# KiCad board omodri_laas.kicad_pcb (continued)
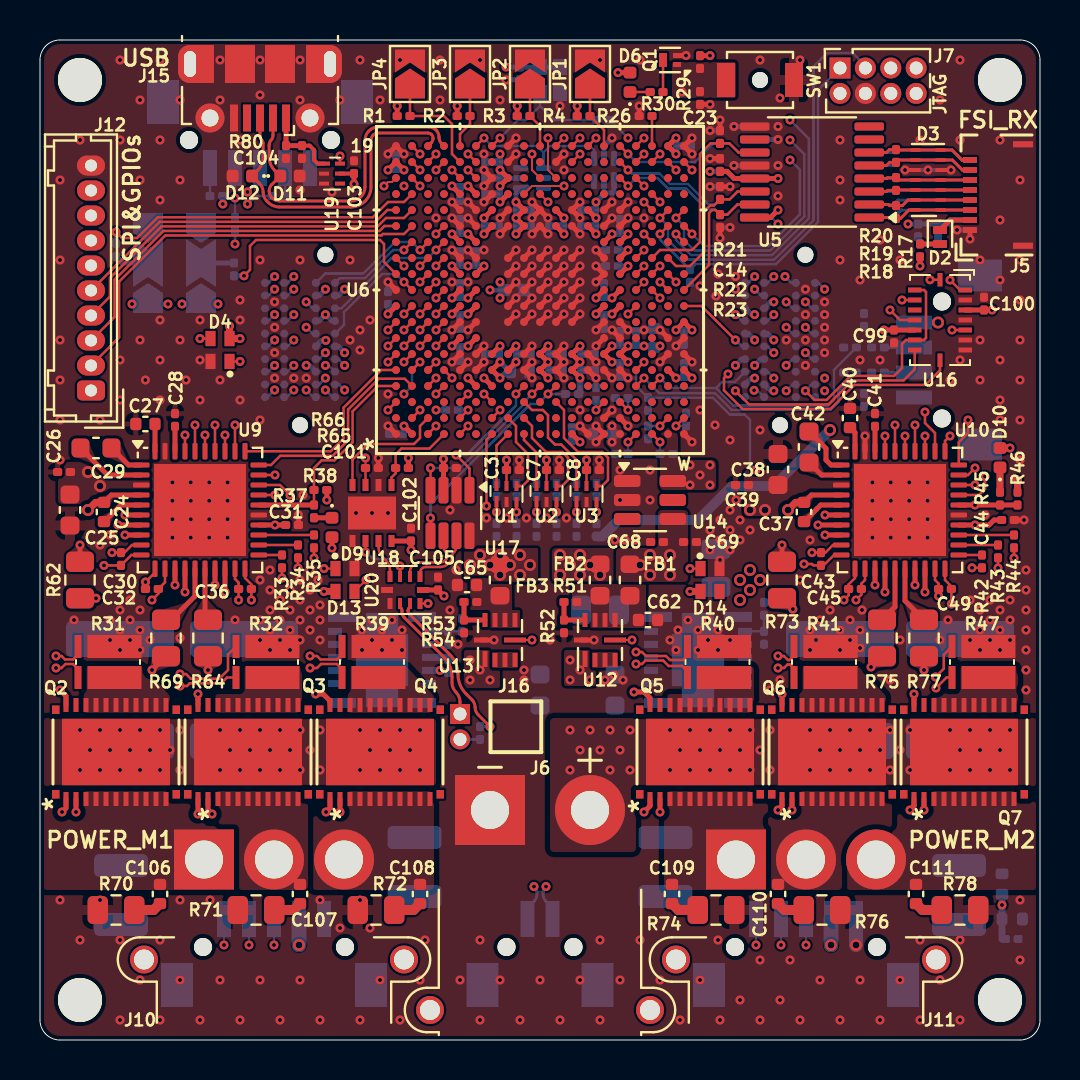
[diagram p0: board, top side]
## Nets (continued)
/OMODRI_driver_M2/CPH: C42.1 U10.2
/OMODRI_driver_M2/CPL: C42.2 U10.1
/OMODRI_driver_M2/GHA: Q5.1 R73.2
/OMODRI_driver_M2/GHA_drv: R73.1 U10.6
/OMODRI_driver_M2/GHB: Q6.1 R75.2
/OMODRI_driver_M2/GHB_drv: R75.1 U10.15
/OMODRI_driver_M2/GHC: Q7.1 R77.2
/OMODRI_driver_M2/GHC_drv: R77.1 U10.16
/OMODRI_driver_M2/GLA: Q5.22 U10.8
/OMODRI_driver_M2/GLB: Q6.22 U10.13
/OMODRI_driver_M2/GLC: Q7.22 U10.18
/OMODRI_driver_M2/MOTOR_CH1: C109.2 J11.1 Q5.3 Q5.4 Q5.5 Q5.6 Q5.7 Q5.8 Q5.9 Q5.10 Q5.11
/OMODRI_driver_M2/MOTOR_CH2: C110.2 J11.2 Q6.3 Q6.4 Q6.5 Q6.6 Q6.7 Q6.8 Q6.9 Q6.10 Q6.11
/OMODRI_driver_M2/MOTOR_CH3: C111.2 J11.3 Q7.3 Q7.4 Q7.5 Q7.6 Q7.7 Q7.8 Q7.9 Q7.10 Q7.11
/OMODRI_driver_M2/OUT_M1_CH1: Q5.12 Q5.13 Q5.14 Q5.15 Q5.16 Q5.17 Q5.18 Q5.19 Q5.20 R40.1
/OMODRI_driver_M2/OUT_M1_CH2: Q6.12 Q6.13 Q6.14 Q6.15 Q6.16 Q6.17 Q6.18 Q6.19 Q6.20 R41.1
/OMODRI_driver_M2/OUT_M1_CH3: Q7.12 Q7.13 Q7.14 Q7.15 Q7.16 Q7.17 Q7.18 Q7.19 Q7.20 R47.1
/OMODRI_driver_M2/SHA: Q5.2 U10.7
/OMODRI_driver_M2/SHB: Q6.2 U10.14
/OMODRI_driver_M2/SHC: Q7.2 U10.17
/OMODRI_driver_M2/SNA: C43.2 R40.3 U10.10
/OMODRI_driver_M2/SNB: C45.2 R41.3 U10.11
/OMODRI_driver_M2/SNC: C49.2 R47.3 U10.20
/OMODRI_driver_M2/SOA_out: R44.2 U10.23
/OMODRI_driver_M2/SOB_out: R43.2 U10.22
/OMODRI_driver_M2/SOC_out: R42.2 U10.21
/OMODRI_driver_M2/SPA: C43.1 R40.2 U10.9
/OMODRI_driver_M2/SPB: C45.1 R41.2 U10.12
/OMODRI_driver_M2/SPC: C49.1 R47.2 U10.19
/OMODRI_driver_M2/VCP_DRV: C37.2 U10.5
/OMODRI_driver_M2/VGLS: C40.2 U10.40
/OMODRI_FSI_RX/FSI_RX_CLK: R21.2 U5.11 U6.U12
/OMODRI_FSI_RX/FSI_RX_D0: R22.2 U5.14 U6.V12
/OMODRI_FSI_RX/FSI_RX_D1: R23.2 U5.15 U6.W10
/OMODRI_FSI_RX/RX_CLK_LVDS_N: D3.6 D3.9 J5.7 R20.2 U5.5
/OMODRI_FSI_RX/RX_CLK_LVDS_P: D3.7 D3.8 J5.8 R20.1 U5.6
/OMODRI_FSI_RX/RX_D0_LVDS_N: D3.4 D3.11 J5.6 R19.2 U5.4
/OMODRI_FSI_RX/RX_D0_LVDS_P: D3.3 D3.12 J5.5 R19.1 U5.3
/OMODRI_FSI_RX/RX_D1_LVDS_N: D3.1 D3.14 J5.3 R18.2 U5.1
/OMODRI_FSI_RX/RX_D1_LVDS_P: D3.2 D3.13 J5.4 R18.1 U5.2
/OMODRI_FSI_TX/FSI_TX_CLK: R16.2 U4.6 U6.R19
/OMODRI_FSI_TX/FSI_TX_D0: R14.2 U4.2 U6.R17
/OMODRI_FSI_TX/FSI_TX_D1: R15.2 U4.3 U6.R18
/OMODRI_FSI_TX/FSI_TX_EN: C12.1 J4.7 R13.1 U4.1
/OMODRI_FSI_TX/TX_CLK_LVDS_N: D1.6 D1.9 J4.2 U4.12
/OMODRI_FSI_TX/TX_CLK_LVDS_P: D1.7 D1.8 J4.1 U4.11
/OMODRI_FSI_TX/TX_D0_LVDS_N: D1.4 D1.11 J4.3 U4.13
/OMODRI_FSI_TX/TX_D0_LVDS_P: D1.3 D1.12 J4.4 U4.14
/OMODRI_FSI_TX/TX_D1_LVDS_N: D1.1 D1.14 J4.6 U4.16
/OMODRI_FSI_TX/TX_D1_LVDS_P: D1.2 D1.13 J4.5 U4.15
/OMODRI_GPIO/ANALOG_IN1: C1.1 D8.1 R5.1 U6.T4
/OMODRI_GPIO/ANALOG_IN2: C2.1 D7.1 J8.A08 R6.1 U6.U4
/OMODRI_GPIO/BOOT_MODE_0: R59.2 U6.A11
/OMODRI_GPIO/BOOT_MODE_1: R60.2 U6.B16
/OMODRI_GPIO/DBG_GPIO_0: J12.2 U6.B14
/OMODRI_GPIO/DBG_GPIO_1: J12.3 U6.A14
/OMODRI_GPIO/DBG_GPIO_2: J12.4 U6.B15
/OMODRI_GPIO/DBG_GPIO_3: J12.5 U6.A15
/OMODRI_GPIO/DBG_GPIO_SPI_CS2_n: J8.B08 U6.V11
/OMODRI_GPIO/DBG_SPI_CLK: J8.B10 J12.6 U6.B17 U16.8
/OMODRI_GPIO/DBG_SPI_SIMO: J8.A10 J12.8 U6.B18 U16.9
/OMODRI_GPIO/DBG_SPI_SOMI: J8.D09 J12.9 U6.A17 U16.10 U16.15
/OMODRI_GPIO/DRV1_GPIO_EN: U6.A5 U9.31
/OMODRI_GPIO/DRV2_GPIO_EN: U6.U11 U10.31
/OMODRI_GPIO/DRV_SPI_CLK: U6.E3 U9.29 U10.29
/OMODRI_GPIO/DRV_SPI_SIMO: U6.E1 U9.28 U10.28
/OMODRI_GPIO/DRV_SPI_SOMI: R36.1 U6.E2 U9.27 U10.27
/OMODRI_GPIO/ECAT0_INT: J9.A06 U6.C11
/OMODRI_GPIO/ECAT1_INT: J8.A06 U6.W9
/OMODRI_GPIO/ENC1_CHA: U1.6 U6.H1
/OMODRI_GPIO/ENC1_CHB: U1.4 U6.H2
/OMODRI_GPIO/ENC1_CHI: U2.6 U6.J1
/OMODRI_GPIO/ENC2_CHA: U2.4 U6.J2
/OMODRI_GPIO/ENC2_CHB: U3.6 U6.J3
/OMODRI_GPIO/ENC2_CHI: U3.4 U6.L3
/OMODRI_GPIO/ESC_I2C_SCL: J9.C01 U6.C13
/OMODRI_GPIO/ESC_I2C_SDA: J9.D01 U6.B13
/OMODRI_GPIO/ESC_LED_ERR: J9.B01 U6.E17
/OMODRI_GPIO/ESC_LED_LINK0_ACTIVE: J9.B02 U6.F18
/OMODRI_GPIO/ESC_LED_LINK1_ACTIVE: J9.A02 U6.F17
/OMODRI_GPIO/ESC_LED_RUN: J9.A01 U6.D18
/OMODRI_GPIO/ESC_MDIO_CLK: J9.D03 U6.D13
/OMODRI_GPIO/ESC_MDIO_DATA: J9.B04 U6.A12
/OMODRI_GPIO/ESC_PHY0_LINKSTATUS: J9.C03 U6.D14
/OMODRI_GPIO/ESC_PHY1_LINKSTATUS: J8.A02 U6.C18
/OMODRI_GPIO/ESC_RX0_CLK: J9.C09 U6.A8
/OMODRI_GPIO/ESC_RX0_D0: J9.D10 U6.C5
/OMODRI_GPIO/ESC_RX0_D1: J9.B10 U6.D5
/OMODRI_GPIO/ESC_RX0_D2: J9.C10 U6.C4
/OMODRI_GPIO/ESC_RX0_D3: J9.A10 U6.D4
/OMODRI_GPIO/ESC_RX0_DV: J9.D07 U6.D9
/OMODRI_GPIO/ESC_RX0_ERR: J9.D09 U6.B8
/OMODRI_GPIO/ESC_RX1_CLK: J8.B02 U6.T18
/OMODRI_GPIO/ESC_RX1_D0: J8.C05 U6.N19
/OMODRI_GPIO/ESC_RX1_D1: J8.B06 U6.M19
/OMODRI_GPIO/ESC_RX1_D2: J8.D07 U6.M18
/OMODRI_GPIO/ESC_RX1_D3: J8.C07 U6.L19
/OMODRI_GPIO/ESC_RX1_DV: J8.D03 U6.T17
/OMODRI_GPIO/ESC_RX1_ERR: J8.A01 U6.T19
/OMODRI_GPIO/ESC_TX0_CLK: J9.D05 U6.B10
/OMODRI_GPIO/ESC_TX0_D0: J9.B06 U6.C10
/OMODRI_GPIO/ESC_TX0_D1: J9.A08 U6.D10
/OMODRI_GPIO/ESC_TX0_D2: J9.C07 U6.B9
/OMODRI_GPIO/ESC_TX0_D3: J9.B08 U6.C9
/OMODRI_GPIO/ESC_TX0_ENA: J9.C05 U6.D12
/OMODRI_GPIO/ESC_TX1_CLK: J8.A04 U6.U10
/OMODRI_GPIO/ESC_TX1_D0: J8.B04 U6.V10
/OMODRI_GPIO/ESC_TX1_D1: J8.D01 U6.W18
/OMODRI_GPIO/ESC_TX1_D2: J8.C01 U6.V18
/OMODRI_GPIO/ESC_TX1_D3: J8.B01 U6.U18
/OMODRI_GPIO/ESC_TX1_ENA: J8.D05 U6.T10
/OMODRI_GPIO/GPIO_SELECT_0: JP1.1 R4.2 U6.P19
/OMODRI_GPIO/GPIO_SELECT_1: JP2.1 R3.2 U6.K19
/OMODRI_GPIO/GPIO_SELECT_2: JP3.1 R2.2 U6.E19
/OMODRI_GPIO/GPIO_SELECT_3: JP4.1 R1.2 U6.E18
/OMODRI_GPIO/IMU_GPIO_INT: U6.U16 U16.1
/OMODRI_GPIO/M1_Ia: C35.1 R35.1 U6.T1
/OMODRI_GPIO/M1_Ib: C34.1 R34.1 U6.W2
/OMODRI_GPIO/M1_Ic: C33.1 R33.1 U6.P3
/OMODRI_GPIO/M1_PWM1_CHA: U6.C8 U9.32
/OMODRI_GPIO/M1_PWM1_CHB: U6.D8 U9.33
/OMODRI_GPIO/M1_PWM2_CHA: U6.A7 U9.34
/OMODRI_GPIO/M1_PWM2_CHB: U6.B7 U9.35
/OMODRI_GPIO/M1_PWM3_CHA: U6.C7 U9.36
/OMODRI_GPIO/M1_PWM3_CHB: U6.D7 U9.37
/OMODRI_GPIO/M1_Vbus: C19.1 D5.1 R24.2 R25.1 U6.T5
/OMODRI_GPIO/M2_Ia: C48.1 R44.1 U6.U1
/OMODRI_GPIO/M2_Ib: C47.1 R43.1 U6.V2
/OMODRI_GPIO/M2_Ic: C46.1 R42.1 U6.R3
/OMODRI_GPIO/M2_PWM1_CHA: U6.A6 U10.32
/OMODRI_GPIO/M2_PWM1_CHB: U6.B6 U10.33
/OMODRI_GPIO/M2_PWM2_CHA: U6.G2 U10.34
/OMODRI_GPIO/M2_PWM2_CHB: U6.G3 U10.35
/OMODRI_GPIO/M2_PWM3_CHA: U6.B2 U10.36
/OMODRI_GPIO/M2_PWM3_CHB: U6.C1 U10.37
/OMODRI_GPIO/WS2812B_CMD_SIMO: D4.1 U6.B5
/OMODRI_GPIO/~{DBG_SPI_CSn}: J8.C09 J12.7 U6.T9
/OMODRI_GPIO/~{DRV1_GPIO_CSn}: U6.B4 U9.30
/OMODRI_GPIO/~{DRV1_GPIO_FAULTn}: R37.1 R38.1 U6.A4 U9.26
/OMODRI_GPIO/~{DRV2_GPIO_CSn}: U6.T11 U10.30
/OMODRI_GPIO/~{DRV2_GPIO_FAULTn}: R45.1 R46.1 U6.T12 U10.26
/OMODRI_GPIO/~{ESC_PHY_RESETn}: J9.A04 U6.C12
/OMODRI_GPIO/~{IMU_GPIO_SPI_ACCEL_CSn}: U6.U13 U16.14
/OMODRI_GPIO/~{IMU_GPIO_SPI_GYRO_CSn}: U6.U15 U16.5
/OMODRI_IMU_DBG/BOOT_0: JP5.2 R59.1
/OMODRI_IMU_DBG/BOOT_1: JP6.2 R60.1
/OMODRI_IMU_DBG/IMU_SYNC: U16.12 U16.16
/OMODRI_LED_dbg/M1_Led_status: D4.3 D13.1
/OMODRI_LED_dbg/M2_Led_Status: D13.3 D14.1
/OMODRI_QuadEncod/ENC1_A: C11.1 J3.1 R12.2 U1.1
/OMODRI_QuadEncod/ENC1_B: C10.1 J3.2 R11.2 U1.3
/OMODRI_QuadEncod/ENC1_I: C9.1 J3.3 R10.2 U2.1
/OMODRI_QuadEncod/ENC2_A: C6.1 J2.1 R9.2 U2.3
/OMODRI_QuadEncod/ENC2_B: C5.1 J2.2 R8.2 U3.1
/OMODRI_QuadEncod/ENC2_I: C4.1 J2.3 R7.2 U3.3
/Power distribution/OMODRI_Alim_1V2/FB_1V2: R53.2 R54.1 U13.9
/Power distribution/OMODRI_Alim_1V2/PG_5V0: R49.1 U11.12 U12.5 U13.5
/Power distribution/OMODRI_Alim_1V2/SW: U13.2 U13.3 U13.4
/Power distribution/OMODRI_Alim_3V3/FB_3V3: R51.2 R52.1 U12.9
/Power distribution/OMODRI_Alim_3V3/SW: U12.2 U12.3 U12.4
/Power distribution/OMODRI_Alim_5V/FB_5V0: R48.2 R50.2 U11.9
/Power distribution/OMODRI_Alim_12V/FB_12V0: R57.2 R58.2 U15.9
REF_3V0_BUF: C31.1 C44.1 C70.1 C71.1 U6.R1 U6.V1 U6.V5 U6.W5 U9.24 U10.24 U14.6
VPOWER: C15.1 C16.1 C17.1 C18.1 C24.1 C37.1 C56.1 C57.1 C58.1 C95.1 C96.1 C97.1 J6.2 Q2.27 Q3.27 Q4.27 Q5.27 Q6.27 Q7.27 R24.1 U9.4 U10.4 U11.1 U11.2 U11.14 U15.1 U15.2 U15.14
Net-(C106-Pad1): C106.1 R70.2
Net-(C107-Pad1): C107.1 R71.2
Net-(C108-Pad1): C108.1 R72.2
Net-(C109-Pad1): C109.1 R74.2
Net-(C110-Pad1): C110.1 R76.2
Net-(C111-Pad1): C111.1 R78.2
Net-(D2-A): D2.2 R17.1
Net-(D2-K): D2.1 J5.2
Net-(D6-K): D6.1 R30.1
Net-(D9-K): D9.1 R37.2
Net-(D10-K): D10.1 R45.2
Net-(J16-Pin_2): J16.2 R63.2
Net-(Q1-D): Q1.3 R30.2

Pads without a net: D14 3; J7 6; J15 4; Q2 21 23 24 25 26; Q3 21 23 24 25 26; Q4 21 23 24 25 26; Q5 21 23 24 25 26; Q6 21 23 24 25 26; Q7 21 23 24 25 26; U4 9 10; U5 7 8 10; U6 A2 A13 A16 B3 B11 B12 C3 C6 C14 C15 C16 C17 D2 D3 D6 D11 D15 D16 D17 E4 F1 F2 F3 G18 H3 H4 J17 J18 J19 K1 K2 K3 K18 L1 L2 L16 M2 M3 M4 M16 M17 N2 N3 N4 N16 N17 N18 P4 P16 P17 P18 R4 R16 T2 T3 T6 T7 T8 T13 T14 T15 T16 U2 U3 U5 U6 U7 U8 U9 U14 U17 V3 V4 V8 V9 V13 V16 V17 W3 W4 W11 W12 W16 W17; U7 3 6; U8 3 6; U11 4 5; U14 3 5; U15 4 5 11 12; U16 13; U19 4

## Via types
v1: diameter 0.45, hole 0.2, Top to Bottom, 1008 vias
v2: diameter 0.6, hole 0.35, Top to Bottom, 38 vias

## Routing (per net, layer and track width the routed paths; a pad name or vN(x,y) marks a point on that pad's centre or on a via; arc(x,y) is an arc through that point)
5V0: length 68.8
  In2_sig.Cu w0.75: v1(26.5,19) v1(26.5,18) ; v1(26.5,18) v1(27.5,18) ; v1(26.5,18) v1(27,18.5) ; v1(26.5,18) 25,16.5 25,10.1 ; 25,9.18 25,10.1 ; 25,9.18 25.12,9.18 27.3,7 ; 25,9.18 24.88,9.18 22.7,7 ; 25,10.1 25,9.3 ; 25,9.3 27.3,7 ; 25,9.3 22.7,7 ; 27.3,7 30.8,7 34.8,3 37.8,3 v2(39.55,4.75) ; 22.7,7 19.3,7 15.7,3.4 14.3,3.4 v2(12.95,4.75)
  Bottom w0.5: R7.1 28.11,25.18 28.93,26 32.9,26 34.6,27.7 36.7,27.7 v2(39.5,30.5)
  Bottom w0.75: J2.4 v2(39.55,4.75) ; J3.4 v2(12.95,4.75)
  vias: v1(21.5,19) v1(21.5,18) v1(22,18.5) v1(22.5,18) v1(39.23,33.09) v1(39.23,32.46)
12V0:
  vias: v2(2.4,28.4) v2(3,27.7) v2(35,23) v2(35,22) v2(35.5,26.5) v2(35.5,23.5) v2(35.5,22.5) v2(36,23) v2(36.25,26.5)
/OMODRI_COM_SPI_USB/VBus: length 4
  Top w0.2: C104.2 13.48,44.72 13.7,44.5 13.7,44 13.88,43.82 U19.1
  Top w0.25: C104.2 R80.1 J15.1
/OMODRI_driver_M1/DVDD: length 1.2
  Top w0.25: U9.38 C28.1
/OMODRI_driver_M2/DVDD: length 1.2
  Top w0.25: U10.38 C41.1
/Power distribution/OMODRI_Alim_5V/V5V_5V0: length 1
  Bottom w0.35: R49.2 20.29,19.13 U11.11
GND: length 106.7
  Top w0.2: D3.5 v1(45.55,43.5) ; D3.10 v1(43.25,43.5)
  Top w0.25: U6.L11 v1(26.2,38.7) ; U6.M11 v1(27,38.7) ; U6.M14 v1(27,40.3) ; v1(25.4,40.3) U6.K14 v1(24.6,40.3) ; U6.K15 v1(25.4,41.1) ; U6.K15 v1(24.6,41.1) ; U6.K15 v1(24.6,41.9) ; v1(27,41.1) U6.M15 v1(27,41.9) ; U6.F14 v1(21.4,41.1) ; v1(28.6,35.5) U6.R7 ; U6.H8 v1(23.8,36.3) ; v1(24.6,33.1) U6.J5 v1(24.6,33.9) ; U6.W1 v1(32.6,29.9) ; v1(22.2,43.5) U6.G17 v1(22.2,42.7) ; U6.H12 v1(23.8,39.5) ; U6.L6 26.2,33.9 ; U6.L6 v1(26.2,34.7) ; U6.L6 25.81,34.3 ; Q1.2 v1(32.3,49.23) ; U10.39 v1(41.25,30.2) ; U6.E6 v1(20.6,33.9) ; U6.L12 v1(26.2,39.5) ; R21.1 v1(34,46) ; U6.P14 v1(28.6,41.1) ; U6.A10 v1(17.4,37.9) ; v1(27,37.1) U6.M9 ; 16.92,28.6 v1(16.92,29.1) ; U6.E8 v1(20.6,35.5) ; C8.2 v1(27.97,29) ; U6.N6 v1(27.8,33.9) ; U6.R14 v1(29.4,41.1) ; U6.E15 v1(20.6,41.9) ; C14.2 v1(33.5,44.07) ; U6.A1 v1(17.4,30.7) ; U6.H14 v1(23,40.3) ; U6.W6 v1(32.6,33.9) ; U6.J6 v1(24.6,34.7) ; v1(27,30.7) U6.N1 ; v1(27.8,35.5) U6.P8 ; v1(32.6,45.1) U6.W19 v1(32.6,44.3) ; U13.10 v1(22.7,20) ; U6.R15 v1(29.4,41.9) ; v1(12.92,26.25) C31.2 ; U6.F5 v1(22.2,33.9) ; v1(22.2,34.7) U6.F6 ; U6.R8 v1(29.4,35.5) ; v1(26.2,33.9) U6.L5 v1(26.2,33.1) ; U6.F8 v1(21.4,35.5) ; U6.J12 v1(24.6,39.5) ; C3.2 v1(23.97,29) ; U6.K12 v1(25.4,39.5) ; v1(26.2,44.3) U6.L18 ; U6.V7 v1(31,35.5) ; v1(27.8,29.9) U6.P1 v1(27.8,30.7) ; v1(27.8,38.7) U6.P11 v1(27.8,37.9) ; v1(34.5,42.67) R22.1 ; U6.K8 v1(25.4,36.3) ; U6.H10 v1(23.8,37.9) ; U6.N5 v1(27.8,33.1) ; U6.R2 v1(29.4,30.7) ; U6.M8 v1(27,36.3) ; C23.2 v1(33.5,46.78) ; U6.J8 v1(24.6,36.3) ; U6.K10 v1(25.4,37.9) ; U6.M12 v1(27,39.5) ; U6.K9 v1(25.4,37.1) ; U6.E14 v1(20.6,41.1) ; v1(24.6,38.7) U6.J11 ; v1(23.8,38.7) U6.H11 ; C44.2 v1(49.2,26) ; U6.H19 v1(23.8,45.1) ; U6.P12 v1(27.8,39.5) ; U6.P2 v1(28.6,31.5) ; U12.10 v1(27.7,20) ; U6.L9 v1(26.2,37.1) ; C7.2 v1(25.97,29) ; U6.J10 v1(24.6,37.9) ; U6.P15 v1(28.6,41.9) ; U6.H15 v1(23,41.1) ; R26.2 v1(29.96,46.7) ; U6.P7 v1(27.8,34.7) ; U6.W7 v1(31.8,34.7) ; U6.E12 v1(20.6,39.5) ; v1(46.5,40.05) J5.1 ; U6.P5 v1(28.6,33.1) ; v1(34,40.1) R23.1 ; U6.F15 v1(21.4,41.9) ; U6.M10 v1(27,37.9) ; U6.E5 v1(21.4,33.9) ; U6.G16 v1(22.2,41.9) ; v1(18.2,44.3) U6.A19 v1(17.4,44.3) ; U6.V6 v1(31,33.9) ; U6.F12 v1(21.4,39.5) ; U6.L10 v1(26.2,37.9) ; U6.H9 v1(23.8,37.1) ; U6.H18 v1(23.8,44.3) ; U6.J9 v1(24.6,37.1) ; U6.R5 v1(29.4,33.1) ; v1(25.4,38.7) U6.K11 ; U6.L8 v1(26.2,36.3)
  Bottom w0.2: v1(43.25,43.5) D3.10 v1(44.4,43.5) D3.5 v1(45.55,43.5)
  Bottom w0.25: C88.2 17.4,37.9 v1(17.4,37.9) ; v1(27.8,29.9) 27.8,30.14 C70.2 27.8,30.46 v1(27.8,30.7) ; v1(27.8,37.9) 28.12,37.9 C75.2 ; v1(29.4,41.1) 29.08,41.1 C76.2 28.92,41.1 v1(28.6,41.1) ; X1.2 v1(26,46.7) ; v1(18.2,44.3) 17.88,44.3 C90.2 17.72,44.3 v1(17.4,44.3) ; v1(32.6,33.9) 32.28,33.9 C71.2 ; J5.1 v1(45.85,40.5) ; v1(23.3,48) 23.31,48.01 C20.2 ; v1(22.2,33.9) 22.2,34.22 C82.2 22.2,34.38 v1(22.2,34.7) ; R23.1 v1(34.5,40.63) ; v1(24.6,40.3) 24.6,40.62 C67.2 24.6,40.78 v1(24.6,41.1) 24.6,41.42 C77.2 24.6,41.58 v1(24.6,41.9) ; C92.2 26.92,30.62 v1(27,30.7) ; U6.J10 v1(24.6,37.1) ; U6.J10 v1(24.6,37.9) ; U6.J10 v1(23.8,37.1) ; U6.J10 v1(23.8,37.9) ; v1(27.8,33.1) 27.8,33.42 C83.2 27.8,33.58 v1(27.8,33.9) ; C14.2 v1(33.5,44.07) ; v1(21.4,35.5) 21.08,35.5 C73.2 20.92,35.5 v1(20.6,35.5) ; v1(21.4,41.9) 21.08,41.9 C89.2 20.92,41.9 v1(20.6,41.9) ; v1(24.6,33.1) 24.6,33.28 C60.2 24.6,33.52 v1(24.6,33.9) 24.6,34.22 C61.2 24.6,34.38 v1(24.6,34.7) ; U7.5 28.2,44.7 v1(28.6,45.1) ; v1(23,40.3) 23,40.62 C78.2 23,40.78 v1(23,41.1) ; v1(26.2,33.1) 26.2,33.42 C74.2 26.2,33.58 v1(26.2,33.9) 26.2,34.22 R55.2 26.2,34.38 v1(26.2,34.7) ; R50.1 v1(20.9,19.79) ; U5.12 v1(34.7,43.73) ; v1(32.6,44.3) 32.6,44.62 C94.2 32.6,44.78 v1(32.6,45.1) ; U5.9 v1(34.7,45.67) ; v1(21.4,37.9) 21.08,37.9 C80.2 20.92,37.9 v1(20.6,37.9) ; v1(25.4,41.1) 25.4,40.78 C87.2 25.4,40.62 v1(25.4,40.3) ; v1(31,35.5) 30.78,35.5 C63.2 30.62,35.5 v1(30.2,35.5) 29.88,35.5 C64.2 29.72,35.5 v1(29.4,35.5) 29.08,35.5 C50.2 28.92,35.5 v1(28.6,35.5) 28.28,35.5 C84.2 28.12,35.5 v1(27.8,35.5) ; v1(29.4,33.1) 29.08,33.1 C51.2 28.92,33.1 v1(28.6,33.1) ; U4.7 36.85,45.02 ; v1(22.2,44.3) 22.2,43.98 C22.2 22.2,43.82 v1(22.2,43.5) 22.2,43.18 C55.2 22.2,43.02 v1(22.2,42.7) 22.2,42.38 C54.2 22.2,42.22 ; v1(20.6,41.1) 20.92,41.1 C79.2 21.08,41.1 v1(21.4,41.1) ; v1(21.4,33.9) 21.08,33.9 C81.2 20.92,33.9 v1(20.6,33.9) ; v1(31.8,34.7) 32.12,34.7 C93.2 32.28,34.7 ; v1(27.8,39.5) C53.2 ; C91.2 17.4,30.38 v1(17.4,30.7) ; v1(27,41.9) 27,41.58 C21.2 27,41.42 v1(27,41.1) 27,40.78 C86.2 27,40.62 v1(27,40.3) ; v1(20.6,39.5) 20.92,39.5 C72.2 21.08,39.5 v1(21.4,39.5) 21.72,39.5 R56.2 21.88,39.5 v1(22.2,39.5) ; R21.1 v1(33.5,45.47) ; R22.1 v1(33.5,42.67) ; v1(27.8,38.7) C52.2
  Bottom w0.35: J2.5 40.85,6.05
  Bottom w0.7: J2.5 v2(40.8,4.75)
  vias: v1(1,43) v1(1,39) v1(1,35) v1(1,33) v1(1,31) v1(1,29) v1(1,7) v1(1.7,21) v1(2,45) v1(2,5) v1(3,31) v1(3,24.75) v1(3,7) v1(3.5,25.25) v1(3.5,21) v1(3.5,20) v1(4,49) v1(4,45) v1(4,34) v1(4,32) v1(4,21.5) v1(4,20.5) v1(4,19.5) v1(4,5) v1(4,1) v1(4.5,22) v1(4.5,21) v1(4.5,20) v1(5,47) v1(5,43) v1(5,35) v1(5,21.5) v1(5,20.5) v1(5,19.5) v1(5,3) v1(5.27,33) v1(5.5,20) v1(6,49) v1(6,45) v1(6,42) v1(6,36) v1(6,34) v1(6,32) v1(6,5) v1(6,1) v1(6.62,27.88) v1(6.62,26.96) v1(6.62,26.04) v1(6.62,25.12) v1(7,47) v1(7,43) v1(7,35) v1(7,20.1) v1(7,7) v1(7,3) v1(7.3,33) v1(7.54,27.88) v1(7.54,26.96) v1(7.54,26.04) v1(7.54,25.12) v1(8,36) v1(8,34) v1(8,32) v1(8,1) v1(8.46,27.88) v1(8.46,26.96) v1(8.46,26.04) v1(8.46,25.12) v1(8.5,7) v1(9,49) v1(9,47) v1(9,33) v1(9,3) v1(9.38,27.88) v1(9.38,26.96) v1(9.38,26.04) v1(9.38,25.12) v1(9.75,21) v1(10,45) v1(10,37) v1(10,36) v1(10,32) v1(10,1) v1(11,49) v1(11,47.25) v1(11,39) v1(11,31) v1(11,23) v1(11,21) v1(11,20) v1(11,3) v1(11.5,23.5) v1(11.5,22.5) v1(11.5,21.5) v1(11.5,20.5) v1(11.5,19.5) v1(11.73,36.91) v1(11.73,35.64) v1(11.73,34.36) v1(11.73,33.09) v1(12,22) v1(12,21) v1(12,20) v1(12,1) v1(12.5,22.5) v1(12.5,21.5) v1(12.5,20.5) v1(12.5,19.5) v1(12.69,33.09) v1(13,49) v1(13,47) v1(13,42.5) v1(13,39) v1(13,23) v1(13,22) v1(13,21) v1(13,20) v1(13,3) v1(13.15,27.25) v1(13.31,33.09) v1(13.5,23.5) v1(13.5,22.5) v1(13.5,21.5) v1(13.5,20.5) v1(13.9,23) v1(14,21.75) v1(14,21) v1(14,20) v1(14,7) v1(14,1) v1(14.6,42.4) v1(15,47) v1(15,5.6) v1(15.5,39) v1(15.5,35) v1(15.8,26.35) v1(16,49) v1(16,35.5) v1(16,34.5) v1(16,7) v1(16,1) v1(16.1,20.5) v1(16.1,19.5) v1(16.5,36) v1(16.5,5.6) v1(16.6,26.35) v1(16.6,21) v1(16.6,20) v1(17,47) v1(17,3) v1(17.1,20.5) v1(17.1,19.5) v1(17.4,32.3) v1(17.4,26.35) v1(17.6,21) v1(17.6,20) v1(18,49) v1(18,1) v1(18.1,20.5) v1(18.1,19.5) v1(19,3) v1(19.25,5) v1(19.8,41.1) v1(20,49) v1(20,47) v1(20.5,26.5) v1(20.5,21.5) v1(20.8,23.5) v1(21,3) v1(22,49) v1(22,5) v1(22,1) v1(22.33,26.1) v1(23,47) v1(23,3) v1(23.33,26.1) v1(24,1) v1(24.2,18.5) v1(24.2,18) v1(24.33,26.1) v1(25,3) v1(25.33,26.1) v1(25.5,20) v1(26,1) v1(26.2,43.5) v1(26.33,26.1) v1(27,31.5) v1(27,3) v1(28,49) v1(28,5) v1(28,1) v1(28.25,18) v1(28.7,18.25) v1(28.75,25) v1(29,28.5) v1(29,27) v1(29,3) v1(29.25,25) v1(29.15,18) v1(29.75,25) v1(30,49) v1(30,5) v1(30.2,41.1) v1(30.5,28.5) v1(30.5,27) v1(31,3) v1(31.5,20) v1(31.8,19.5) v1(31.9,20.5) v1(32,1) v1(32.4,21) v1(32.9,20.5) v1(32.9,19.5) v1(33,37.7) v1(33,31.5) v1(33,3) v1(33.4,21) v1(33.4,20) v1(33.5,25.5) v1(33.5,24.5) v1(33.8,37.2) v1(33.75,30.75) v1(33.9,38.3) v1(33.9,20.5) v1(33.9,19.5) v1(33.9,5) v1(34,26) v1(34,25) v1(34,24) v1(34,1) v1(34.5,30) v1(34.5,26.5) v1(34.5,25.5) v1(34.5,24.5) v1(34.5,20) v1(34.77,38.17) v1(34.8,27) v1(35,26) v1(35,25) v1(35,2) v1(35.5,25.5) v1(36,49) v1(36,30.5) v1(36,4) v1(36,1) v1(36.5,17.5) v1(36.9,45.67) v1(36.9,45.02) v1(36.9,43.73) v1(36.9,42.2) v1(37,47.1) v1(37,18) v1(37,2) v1(37.31,35) v1(37.5,4) v1(38,49) v1(38,23) v1(38,1) v1(38.27,37.54) v1(38.27,36.27) v1(38.27,35) v1(38.27,33.73) v1(38.5,25) v1(38.5,20.5) v1(38.5,19.5) v1(38.8,20) v1(39,21) v1(39,3) v1(39.23,36.91) v1(39.23,36.27) v1(39.23,35.64) v1(39.23,35) v1(39.23,34.36) v1(39.5,21.5) v1(40,45) v1(40,43) v1(40,42) v1(40,39) v1(40,20.5) v1(40,19.5) v1(40,1) v1(40.5,21) v1(40.5,20) v1(41,38) v1(41,34) v1(41,20.5) v1(41,19.6) v1(41,3) v1(41.1,21.5) v1(41.62,27.88) v1(41.62,26.96) v1(41.62,26.04) v1(41.62,25.12) v1(42,40) v1(42,34) v1(42,1) v1(42.54,27.88) v1(42.54,26.96) v1(42.54,26.04) v1(42.54,25.12) v1(42.5,18) v1(43,39) v1(43,20) v1(43,3) v1(43.46,27.88) v1(43.46,26.96) v1(43.46,26.04) v1(43.46,25.12) v1(44,45) v1(44,5) v1(44,1) v1(44.38,27.88) v1(44.38,26.96) v1(44.38,26.04) v1(44.38,25.12) v1(45,47) v1(45,20) v1(45,3) v1(45.4,21) v1(45.5,33) v1(46,49) v1(46,45) v1(46,34) v1(46,5) v1(46,1) v1(46.5,22) v1(46.5,21) v1(46.5,20) v1(47,39) v1(47,35) v1(47,33) v1(47,21.5) v1(47,20.5) v1(47,19.5) v1(47.25,26.25) v1(47.5,22) v1(47.5,21) v1(47.5,20) v1(48,45) v1(48,41) v1(48,38) v1(48,34) v1(48,32) v1(48.01,31) v1(48,21.5) v1(48,20.5) v1(48,19.5) v1(48.5,22) v1(48.5,21) v1(48.5,20) v1(49,43) v1(49,39) v1(49,37) v1(49,35) v1(49,33) v1(49,31) v1(49,29) v1(49,7) v1(49,4) v1(49.3,23.5) v1(49.3,22.5) v1(49.3,21.5) v1(49.3,20.5) v1(49.3,19.5) v1(49.3,18.5) v1(49.3,17.5)
VDD_1V2: length 21.4
  Top w0.25: v1(23.8,40.3) U6.J14 v1(23.8,41.1) U6.J15 v1(23.8,41.9) ; v1(22.2,41.1) U6.G15 ; v1(22.2,40.3) U6.G14 ; v1(27.8,37.1) U6.P10 ; U6.E9 v1(20.6,36.3) ; U6.F11 v1(22.2,38.7) ; v1(25.4,33.1) U6.K5 v1(25.4,33.9) U6.K6 v1(25.4,34.7) ; U6.E11 v1(20.6,38.7) ; U6.F9 v1(21.4,36.3) ; U6.R13 v1(29.4,40.3) ; v1(28.6,40.3) U6.P13 ; v1(28.6,37.1) U6.R10
  Bottom w0.25: C66.1 23,37.26 v1(23,37.1) ; C66.1 23,37.74 v1(23,37.9) ; C66.1 v1(22.5,37.5) ; v1(25.4,33.1) 25.4,33.42 C74.1 25.4,33.58 v1(25.4,33.9) 25.4,34.22 R55.1 25.4,34.38 v1(25.4,34.7) ; v1(29.4,40.3) 29.08,40.3 C76.1 28.92,40.3 v1(28.6,40.3) ; 24.08,42.6 23.8,42.33 v1(23.8,41.9) 23.8,41.58 C77.1 23.8,41.42 v1(23.8,41.1) 23.8,40.78 C67.1 23.8,40.62 v1(23.8,40.3) ; v1(22.2,41.1) 22.2,40.78 C78.1 22.2,40.62 v1(22.2,40.3) ; v1(22.2,38.7) 21.88,38.7 R56.1 21.72,38.7 v1(21.4,38.7) 21.08,38.7 C72.1 20.92,38.7 v1(20.6,38.7) ; v1(20.6,36.3) 20.92,36.3 C73.1 21.08,36.3 v1(21.4,36.3) ; v1(28.6,37.1) 28.28,37.1 C75.1 28.12,37.1 v1(27.8,37.1)
  vias: v2(21.5,23.75) v2(22,24.25) v2(22.5,23.75) v2(23,24.25) v2(23,23.25) v2(23.5,23.75) v2(24,24.25) v2(24,23.25) v2(24.5,23.75)
VDD_3V3: length 91.7
  Top w0.125: C7.1 U2.5 ; C8.1 U3.5 ; C3.1 U1.5
  Top w0.2: C103.1 U19.5
  Top w0.25: U6.N14 v1(27.8,40.3) ; U6.L14 v1(26.2,40.3) ; U6.L15 v1(26.2,41.1) ; U6.E16 v1(20.6,42.7) ; v1(36.9,43.08) 34.71,43.08 34.36,43.43 C14.1 ; v1(23,43.5) U6.H17 v1(23,42.7) ; U20.10 C105.1 v1(20.2,22.2) ; C103.1 v1(15.7,42.8) ; R4.1 v1(26.86,46.7) ; v1(47.6,36.5) C100.1 U16.3 ; v1(23,33.1) U6.G5 v1(23,33.9) ; U6.G4 v1(22.2,33.1) ; U6.R12 v1(29.4,39.5) ; U6.A9 v1(17.4,36.3) ; R29.1 v1(33.5,49.22) ; R3.1 v1(23.86,46.7) ; U6.F13 v1(21.4,40.3) ; D9.2 v1(14.6,24.6) ; v1(23.33,29) C3.1 ; v1(36.9,41.5) 36.53,41.12 U5.16 ; U6.E7 v1(20.6,34.7) ; v1(20.17,29.05) C101.1 20.17,27.75 ; U16.11 C99.1 v1(42.2,35.5) ; 17.58,24.95 C102.1 v1(18.55,24.5) ; U6.B1 v1(18.2,30.7) ; v1(31.8,45.1) U6.V19 v1(31.8,44.3) ; v1(27.8,41.1) U6.N15 ; v1(27.33,29) C8.1 ; v1(20.6,40.3) U6.E13 ; v1(25.33,29) C7.1 ; v1(27,33.9) U6.M5 26.61,33.5 27.01,33.1 ; v1(29.4,38.7) U6.R11 ; U6.E10 v1(20.6,37.1) ; U6.F10 v1(21.4,37.1) ; U6.H16 v1(23,41.9) ; R2.1 v1(20.86,46.7) ; U6.F16 v1(21.4,42.7) ; v1(23,34.7) U6.G6 ; R1.1 v1(17.86,46.7) ; R38.2 v1(14.34,27) ; v1(18.42,29.1) R65.2 ; 27,33.9 U6.M6 v1(27,34.7) ; v1(23.8,34.7) U6.H6 ; U6.P9 v1(27.8,36.3) ; D6.2 v1(28.9,48.37) ; U6.M1 v1(27,29.9) ; v1(32.6,35.5) U6.W8 v1(31.8,35.5) ; U6.F4 v1(21.4,33.1) ; U6.F7 v1(21.4,34.7) ; R17.2 v1(44,38.7) ; v1(18.2,43.5) U6.A18 v1(17.4,43.5) ; U6.R9 v1(28.6,36.3) ; 23.8,33.9 U6.H5
  Top w0.35: 33.05,22.43 v1(32.5,22.43) ; v1(9.47,35.7) D4.2 v1(10,35.07) ; R46.2 v1(48.88,28) ; D13.2 v1(14.2,22.43) ; D10.2 v1(48.5,29.6)
  Bottom w0.125: v1(14.27,33.73) 14.43,33.73 J9.D08 ; R79.2 v1(9.75,39.8)
  Bottom w0.25: v1(26.2,41.1) 26.2,40.78 C87.1 26.2,40.62 v1(26.2,40.3) ; v1(27.8,40.3) 27.8,40.62 C86.1 27.8,40.78 v1(27.8,41.1) 27.8,41.42 C21.1 27.8,41.58 v1(27.8,41.9) 28.25,42.35 ; v1(23,44.3) 23,43.98 C22.1 23,43.82 v1(23,43.5) 23,43.18 C55.1 ; v1(35.73,35) 35.41,35.32 J8.A05 ; v1(33.5,43.43) C14.1 34.36,43.43 34.71,43.08 35.74,43.08 ; J8.B03 36.53,36.91 v1(36.69,36.91) ; v1(18.2,43.5) 17.88,43.5 C90.1 17.72,43.5 v1(17.4,43.5) ; 28.25,42.35 28.65,42.35 28.7,42.4 U7.1 ; 28.25,42.35 28.2,42.4 U7.2 ; J9.C06 14.09,34.98 v1(14.29,34.98) ; v1(31.8,35.5) 32.12,35.5 C93.1 32.28,35.5 v1(32.6,35.5) ; J9.D02 14.91,37.22 v1(15.23,37.54) ; C52.1 v1(29.4,38.7) ; v1(20.6,42.7) 20.92,42.7 C89.1 21.08,42.7 v1(21.4,42.7) ; J9.C04 13.95,35.95 v1(14.27,36.27) 14.59,35.95 J9.D04 ; v1(23,33.1) 23.3,33.4 C60.1 ; v1(23.3,48.65) C20.1 X1.4 X1.1 ; J9.D06 14.91,34.68 v1(15.23,34.36) ; C60.1 23.52,33.62 v1(23.8,33.9) 23.8,34.22 C61.1 23.8,34.38 v1(23.8,34.7) ; C60.1 23.02,33.9 v1(23,33.9) 23,34.22 C82.1 23,34.38 v1(23,34.7) ; C91.1 18.2,30.38 v1(18.2,30.7) ; v1(20.6,40.3) 20.92,40.3 C79.1 21.08,40.3 v1(21.4,40.3) ; v1(35.73,33.09) 35.57,33.09 J8.A09 ; v1(34.77,33.73) 35.09,34.05 J8.A07 ; v1(27.8,36.3) 28.12,36.3 C84.1 28.28,36.3 v1(28.6,36.3) ; C55.1 23,43.02 v1(23,42.7) 23,42.38 C54.1 23,42.22 v1(23,41.9) ; C55.1 U8.2 ; v1(27,33.1) 27,33.42 C83.1 27,33.58 v1(27,33.9) 27,34.22 C85.1 27,34.38 v1(27,34.7) ; v1(20.6,34.7) 20.92,34.7 C81.1 21.08,34.7 v1(21.4,34.7) ; C53.1 v1(29.4,39.5) ; v1(8.9,36.8) 8.25,36.8 8.05,37 7.85,36.8 v1(7.1,36.8) ; v1(36.69,35) 36.37,35.32 J8.B05 ; R36.2 v1(19.8,31.5) ; C92.1 26.92,29.98 v1(27,29.9) ; v1(31.8,44.3) 31.8,44.62 C94.1 31.8,44.78 v1(31.8,45.1) ; J9.C08 13.47,33.73 v1(13.31,33.73) ; v1(35.73,33.73) 36.05,34.05 J8.B07 ; v1(35.73,36.27) 35.57,36.27 J8.A03 ; C88.1 v1(17.4,36.3) ; J9.C02 13.95,37.22 v1(14.27,37.54) ; v1(4.6,36.8) 5.2,36.8 5.4,37 5.6,36.8 v1(6.4,36.8) ; J8.B09 36.53,32.46 v1(36.69,32.46) ; v1(20.6,37.1) v1(21.4,37.1) 21.08,37.1 C80.1 20.92,37.1 v1(20.6,37.1)
  Bottom w0.35: v1(27,33.1) 27,32.38 R61.1
  vias: v2(26,24.25) v2(26,23.25) v2(26.5,23.75) v2(27,24.25) v2(27,23.25) v2(27.5,23.75) v2(28,23.25)
VDDA_3V3: length 6.9
  Top w0.25: v1(29.4,34.7) U6.R6 v1(29.4,33.9) ; v1(28.6,34.7) U6.P6 v1(28.6,33.9)
  Bottom w0.25: v1(28.6,33.9) 28.92,33.9 C51.1 29.08,33.9 v1(29.4,33.9) ; v1(31,34.7) 30.78,34.7 C63.1 30.62,34.7 v1(30.2,34.7) 29.88,34.7 C64.1 29.72,34.7 v1(29.4,34.7) 29.08,34.7 C50.1 28.92,34.7 v1(28.6,34.7)
  Bottom w0.35: J1.4 v2(44.9,35.88)
  vias: v2(30,23.75) v2(30.5,24.25) v2(30.5,23.25) v2(31,23.75) v2(31.5,24.25) v2(31.5,23.25)
/analog1: length 1.5
  Bottom w0.125: J1.2 R5.2
/analog2: length 1.5
  Bottom w0.125: J1.3 R6.2
/JTAG + CLOCK + RESET/25MHz_OSC_SRC: length 17.3
  In2_sig.Cu w0.125: v1(37.31,36.91) 36.81,37.4 36.4,37.4 35.9,36.9 34.7,36.9 33.3,38.3 29.95,38.3 29.8,38.45 29.8,44.7 v1(29.4,45.1)
  Bottom w0.125: J8.C03 37.63,36.59 v1(37.31,36.91) ; v1(29.4,45.1) 28.5,46 R27.2
/JTAG + CLOCK + RESET/ERRORSTS: length 1.5
  Top w0.125: U6.U19 R26.1
/JTAG + CLOCK + RESET/F2838x_CLK_25MHz: length 7
  Top w0.125: U6.G19 v1(23,45.1)
  Bottom w0.125: v1(23,45.1) 23.9,46 24.3,46 25,46.7 ; X1.3 25,46.7 ; 25,46.7 25.7,46 R27.1
/JTAG + CLOCK + RESET/TCK: length 21.3
  Top w0.125: U6.V15 v1(31,41.1)
  Bottom w0.125: J7.3 41.27,48.71 40.63,49.35 39.35,49.35 38.67,48.67 38.67,40.99 36.7,39.02 32.38,39.02 31.4,40 31.4,40.7 v1(31,41.1)